# Altium PCB RGV_Control_1V21_unpoly.PcbDoc (part 4 of 5) (continued)
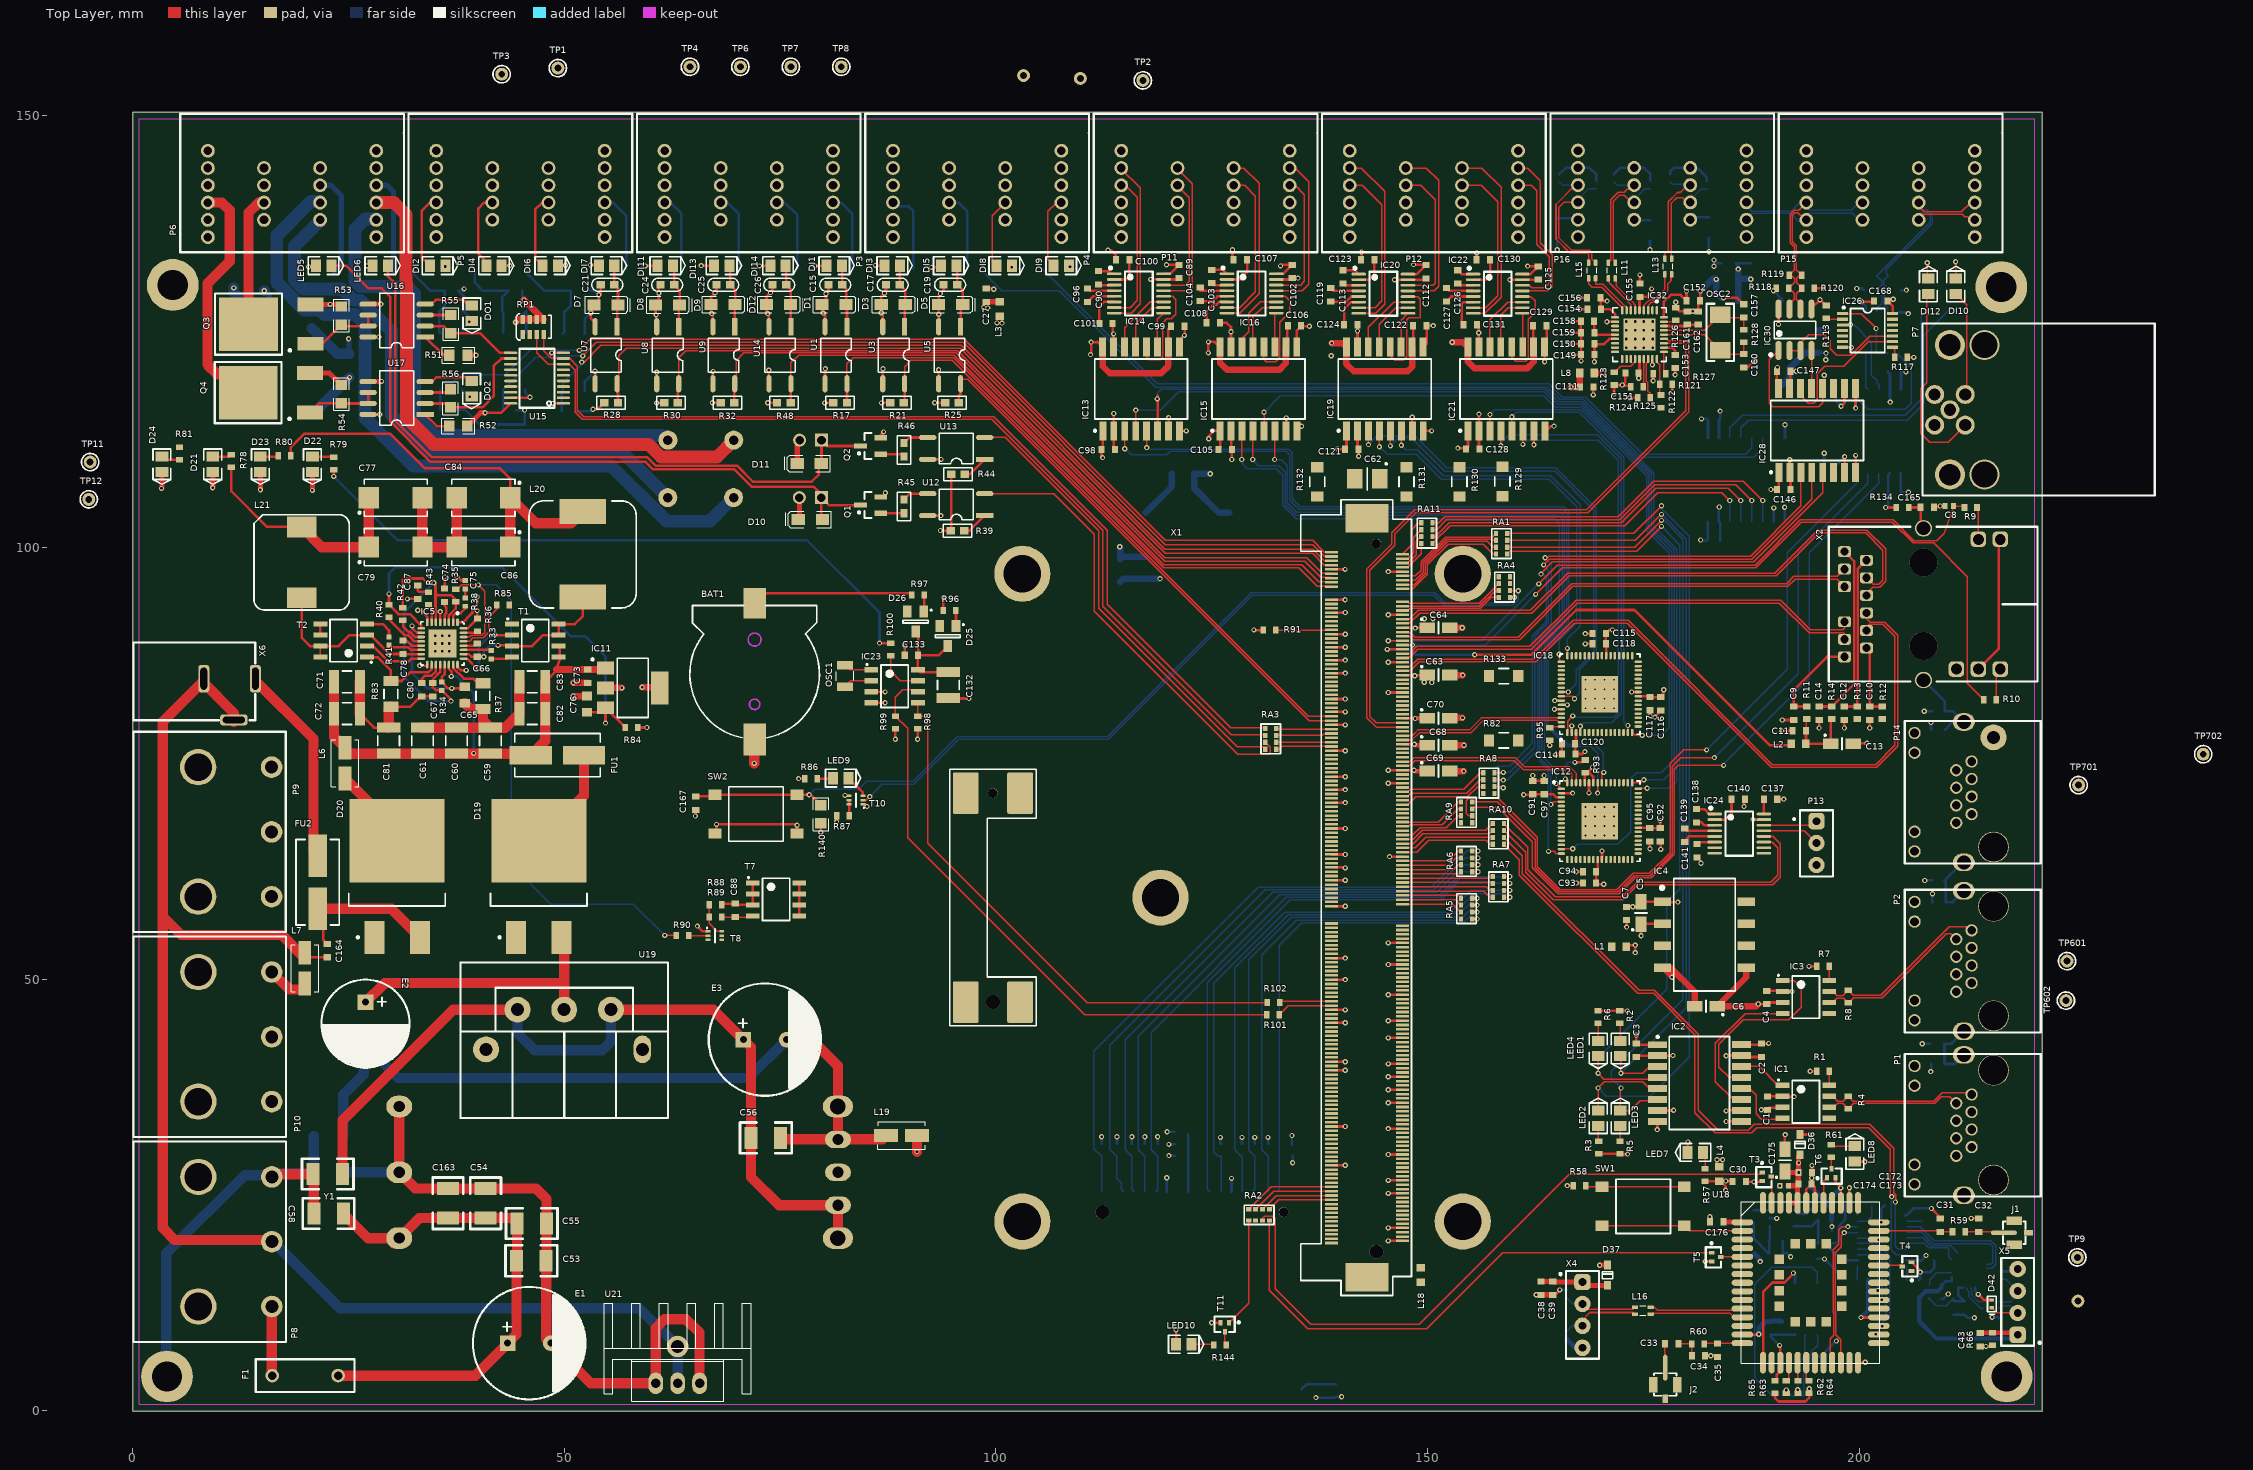
[diagram p0: Top Layer view]
## Nets (pads, with @x,y where several pads share a name; then routed paths per layer and width w, separated by ;. In a path a pad name is that pad's centre, name@x,y a point inside that pad or via, vN(x,y) a via of type N, cw(c..) or ccw(c..) an arc to the next point about the centre after c; other vN are vias at no path point) (continued)
NetIC12_9: IC12.9
NetIC12_10: IC12.10
NetIC12_11: IC12.11
NetIC12_12: IC12.12
NetIC12_13: IC12.13
NetIC12_14: IC12.14
NetIC12_15: IC12.15 IC15.5 | length 106.3
  Top Layer w0.15: IC15.5@131.049,113.489 v1(131.049,115.649) ; IC12.15@165.476,65.051 165.526,65.051 165.575,65.1 v1(166.802,65.1)
  Bottom Layer w0.15: v1(131.049,115.649) 132.95,117.55 163.45,117.55 164.75,116.25 167.825,116.25 175.6,108.475 175.6,102.15 178.25,99.5 178.25,75.125 177.05,73.925 174.193,73.925 173.525,73.257 173.525,67.099 172.034,65.608 167.31,65.608 v1(166.802,65.1)
NetIC12_16: IC12.16 IC15.3 | length 86.5
  Top Layer w0.15: v1@128.473,110.388 128.473,113.453 IC15.3@128.509,113.489 ; v1@164.059,64.795 164.627,64.795 164.871,64.551 IC12.16@165.476,64.551
  Bottom Layer w0.15: v1@128.473,110.388 v1(128.473,110.175) 128.473,109.777 129.125,109.125 132.45,109.125 133.2,108.375 133.2,104.875 134.75,103.325 154.575,103.325 154.625,103.375 164.7,103.375 165.25,102.825 165.25,91.7 162.975,89.425 162.975,76.675 162.975,75.256 163.949,74.281 163.949,70.59 163.788,70.428 163.788,70.034 163.982,69.839 v1(163.982,64.795)
NetIC12_17: IC12.17
NetIC12_18: IC12.18
NetIC12_19: IC12.19
NetIC12_20: IC12.20
NetIC12_21: IC12.21
NetIC12_22: IC12.22
NetIC12_23: IC12.23
NetIC12_26: IC12.26
NetIC12_27: IC12.27
NetIC12_28: IC12.28
NetIC12_29: IC12.29
NetIC12_30: IC12.30
NetIC12_31: IC12.31
NetIC12_32: IC12.32
NetIC12_33: IC12.33
NetIC12_34: IC12.34
NetIC12_35: IC12.35
NetIC12_36: IC12.36
NetIC12_37: IC12.37
NetIC12_38: IC12.38
NetIC12_40: IC12.40
NetIC12_41: IC12.41
NetIC12_42: IC12.42
NetIC12_43: IC12.43
NetIC12_44: IC12.44
NetIC12_45: IC12.45
NetIC12_46: IC12.46
NetIC12_47: IC12.47
NetIC12_48: IC12.48 IC13.6 | length 108.4
  Top Layer w0.15: IC12.48@174.376,72.051 174.443,71.984 174.57,72.111 v1(175.4,72.111)
  Top Layer w0.3: v1(118.675,117.2) 118.675,117.487 118.73,117.541 IC13.6@118.73,113.489
  Bottom Layer w0.15: v1(118.675,117.2) 118.675,117.825 119.15,118.3 163.675,118.3 165.1,116.875 167.907,116.875 176.2,108.582 176.2,102.425 178.85,99.775 178.85,72.925 178.036,72.111 v1(175.4,72.111)
NetIC12_49: IC12.49 IC13.4 | length 107.8
  Top Layer w0.15: IC13.4@116.19,113.489 v1(116.19,115.893) ; IC12.49@173.676,72.751 174.682,72.751 v1(175.031,73.1)
  Bottom Layer w0.15: v1(116.19,115.893) 119.018,115.893 121.175,118.05 163.5,118.05 164.975,116.575 167.854,116.575 175.9,108.529 175.9,102.275 178.525,99.65 178.525,74.275 177.35,73.1 v1(175.031,73.1)
NetIC12_50: IC12.50
NetIC12_51: IC12.51
NetIC12_52: IC12.52
NetIC12_53: IC12.53
NetIC12_54: IC12.54
NetIC12_55: IC12.55
NetIC12_56: IC12.56 IC13.5 | length 94.1
  Top Layer w0.15: IC13.5@117.46,113.489 117.475,113.473 v1(117.475,111.55) ; IC12.56@170.176,72.751 170.176,73.751 v1(170.375,73.95)
  Bottom Layer w0.15: v1(117.475,111.55) 117.671,111.354 133.934,111.354 134.315,110.973 134.315,105.635 135.225,104.725 165.775,104.725 166.325,104.175 166.325,90.8 163.975,88.45 163.975,79.431 166.194,77.212 169.313,77.212 170.3,76.225 170.3,73.875 v1(170.375,73.95)
NetIC12_57: IC12.57 IC13.3 | length 98.4
  Top Layer w0.15: v1(114.92,111.424) IC13.3@114.92,113.489 ; v1(169.676,71.55) IC12.57@169.676,72.751
  Bottom Layer w0.15: v1(114.92,111.424) 115.644,110.7 119.791,110.7 120.195,111.104 133.6,111.104 134,110.704 134,105.44 135.04,104.4 165.625,104.4 166.075,103.95 166.075,91.05 163.725,88.7 163.725,79.327 166.091,76.962 168.888,76.962 169.676,76.174 v1(169.676,71.55)
NetIC12_61: IC12.61
NetIC12_64: IC12.64 R93.1 | length 4.7
  Top Layer w0.3: v1(165.938,73.196) 165.938,72.988 IC12.64@166.176,72.751 ; v1(167.05,75.1) 167.771,75.1 R93.1@168.199,75.528
  Bottom Layer w0.15: v1(165.938,73.196) 165.938,74.738 166.3,75.1 v1(167.05,75.1)
NetIC13_11: IC13.11 IC14.9 | length 4.2
  Top Layer w0.15: IC13.11@118.71,123.189 118.71,126.426 IC14.9@119.408,127.124
NetIC13_12: IC13.12 IC14.12 | length 12.4
  Top Layer w0.15: IC13.12@117.44,123.189 117.44,122.085 117.775,121.75 119.018,121.75 119.325,122.057 119.325,125.975 119.8,126.45 120.3,126.45 120.825,126.975 120.825,128.7 120.451,129.074 IC14.12@119.408,129.074
NetIC13_13: IC13.13 IC14.10 | length 6.7
  Top Layer w0.15: IC13.13@116.17,123.189 116.17,125.895 118.049,127.774 IC14.10@119.408,127.774
NetIC13_14: IC13.14 IC14.11 | length 8
  Top Layer w0.15: IC13.14@114.9,123.189 114.9,125.45 117.874,128.424 IC14.11@119.408,128.424
NetIC15_11: IC15.11 IC16.9 | length 4
  Top Layer w0.15: IC15.11@132.299,123.189 132.299,126.967 IC16.9@132.455,127.123
NetIC15_12: IC15.12 IC16.12 | length 12.4
  Top Layer w0.15: IC15.12@131.029,123.189 131.029,121.771 131.276,121.524 132.382,121.524 132.874,122.016 132.874,126.086 134.025,127.237 134.025,128.555 133.507,129.073 IC16.12@132.455,129.073
NetIC15_13: IC15.13 IC16.10 | length 6.7
  Top Layer w0.15: IC15.13@129.759,123.189 129.759,126.709 130.823,127.773 IC16.10@132.455,127.773
NetIC15_14: IC15.14 IC16.11 | length 8
  Top Layer w0.15: IC15.14@128.489,123.189 128.489,124.172 129.3,124.983 129.3,127.125 130.598,128.423 IC16.11@132.455,128.423
NetIC17_3: IC17.3
NetIC17_6: IC17.6
NetIC17_7: IC17.7
NetIC17_8: IC17.8
NetIC18_1: IC18.1 IC21.6 | length 50.9
  Top Layer w0.15: v1(161.021,111.922) IC21.6@161.021,113.489 ; IC18.1@166.176,78.557 166.182,78.551 166.201,78.57 166.201,79.894 v1(166.8,80.493)
  Bottom Layer w0.15: v1(161.021,111.922) 161.523,112.425 169.769,112.425 172.085,110.109 172.085,80.823 171.577,80.315 166.978,80.315 v1(166.8,80.493)
NetIC18_4: IC18.4 IC21.4 | length 53.1
  Top Layer w0.15: v1(158.481,111.775) IC21.4@158.481,113.489 ; IC18.4@167.676,78.557 v1(167.676,79.298)
  Bottom Layer w0.15: v1(158.481,111.775) 158.481,112.081 159.45,113.05 169.648,113.05 172.425,110.273 172.425,80.809 171.322,79.706 168.084,79.706 v1(167.676,79.298)
NetIC18_5: IC18.5
NetIC18_6: IC18.6
NetIC18_7: IC18.7
NetIC18_8: IC18.8
NetIC18_9: IC18.9
NetIC18_10: IC18.10
NetIC18_11: IC18.11
NetIC18_12: IC18.12
NetIC18_13: IC18.13
NetIC18_14: IC18.14
NetIC18_15: IC18.15 IC21.5 | length 49
  Top Layer w0.15: IC21.5@159.751,113.489 v1(159.751,115.118) ; IC18.15@173.176,78.557 v1(173.176,79.375)
  Bottom Layer w0.15: v1(159.751,115.118) 160.257,115.625 167.525,115.625 172.72,110.43 172.72,79.831 v1(173.176,79.375)
NetIC18_16: IC18.16 IC21.3 | length 58.5
  Top Layer w0.15: IC21.3@157.211,113.489 v1(157.211,115.39) ; IC18.16@173.676,78.557 174.008,78.225 v1(174.85,78.225)
  Bottom Layer w0.15: v1(157.211,115.39) 157.771,115.95 167.7,115.95 175.35,108.3 175.35,101.925 177.95,99.325 177.95,79.15 177.025,78.225 v1(174.85,78.225)
NetIC18_17: IC18.17
NetIC18_18: IC18.18
NetIC18_19: IC18.19
NetIC18_20: IC18.20
NetIC18_21: IC18.21
NetIC18_22: IC18.22
NetIC18_23: IC18.23
NetIC18_26: IC18.26
NetIC18_27: IC18.27
NetIC18_28: IC18.28
NetIC18_29: IC18.29
NetIC18_30: IC18.30
NetIC18_31: IC18.31
NetIC18_32: IC18.32
NetIC18_33: IC18.33
NetIC18_34: IC18.34
NetIC18_35: IC18.35
NetIC18_36: IC18.36
NetIC18_37: IC18.37
NetIC18_38: IC18.38
NetIC18_40: IC18.40
NetIC18_41: IC18.41
NetIC18_42: IC18.42
NetIC18_43: IC18.43
NetIC18_44: IC18.44
NetIC18_45: IC18.45
NetIC18_46: IC18.46
NetIC18_47: IC18.47
NetIC18_48: IC18.48 IC19.6 | length 43.3
  Top Layer w0.15: v1(146.949,111.826) IC19.6@146.949,113.489 ; v1(166.175,88.3) 166.175,87.458 IC18.48@166.176,87.457
  Bottom Layer w0.15: v1(146.949,111.826) 147.475,111.3 148.8,111.3 151.8,108.3 164.275,108.3 167.65,104.925 167.65,90.875 166.175,89.4 v1(166.175,88.3)
NetIC18_49: IC18.49 IC19.4 | length 46.5
  Top Layer w0.15: v1(144.409,111.659) IC19.4@144.409,113.489 ; v1(165.225,87.625) 165.225,87.008 IC18.49@165.476,86.757
  Bottom Layer w0.15: v1(144.409,111.659) 145.289,110.779 148.671,110.779 151.55,107.9 164.1,107.9 167.275,104.725 167.275,91.275 165.225,89.225 v1(165.225,87.625)
NetIC18_50: IC18.50
NetIC18_51: IC18.51
NetIC18_52: IC18.52
NetIC18_53: IC18.53
NetIC18_54: IC18.54
NetIC18_55: IC18.55
NetIC18_56: IC18.56 IC19.5 | length 52.2
  Top Layer w0.15: v1(145.679,111.754) IC19.5@145.679,113.489 ; IC18.56@165.476,83.257 v1(166.282,83.257)
  Bottom Layer w0.15: v1(145.679,111.754) 146.55,112.625 148.129,112.625 151.954,108.8 164.775,108.8 169.25,104.325 169.25,87.9 167.208,85.858 167.208,84.183 v1(166.282,83.257)
NetIC18_57: IC18.57 IC19.3 | length 56.6
  Top Layer w0.15: v1(143.139,111.895) IC19.3@143.139,113.489 ; IC18.57@165.476,82.757 166.718,82.757 v1(167,82.475)
  Bottom Layer w0.15: v1(143.139,111.895) 144.119,112.875 148.569,112.875 152.219,109.225 164.825,109.225 169.5,104.55 169.5,87.796 167.525,85.821 167.525,83.075 167,82.55 v1(167,82.475)
NetIC18_61: IC18.61
NetIC18_64: IC18.64 R95.1 | length 1.4
  Top Layer w0.15: R95.1@164.15,79.125 164.282,79.257 IC18.64@165.476,79.257
NetIC19_11: IC19.11 IC20.9 | length 4.2
  Top Layer w0.15: IC19.11@146.929,123.189 146.929,126.313 IC20.9@147.715,127.098
NetIC19_12: IC19.12 IC20.12 | length 12.9
  Top Layer w0.15: IC19.12@145.659,123.189 145.659,122.2 146.184,121.675 147.163,121.675 147.575,122.087 147.575,126.341 147.809,126.575 149.05,126.575 149.15,126.675 149.15,128.725 148.827,129.048 IC20.12@147.715,129.048
NetIC19_13: IC19.13 IC20.10 | length 6.8
  Top Layer w0.15: IC19.13@144.389,123.189 144.389,125.82 146.317,127.748 IC20.10@147.715,127.748
NetIC19_14: IC19.14 IC20.11 | length 8.1
  Top Layer w0.15: IC19.14@143.119,123.189 143.119,125.476 146.041,128.398 IC20.11@147.715,128.398
NetIC21_11: IC21.11 IC22.9 | length 3.9
  Top Layer w0.15: IC22.9@160.965,127.098 161.001,127.063 IC21.11@161.001,123.189
NetIC21_12: IC21.12 IC22.12 | length 12.1
  Top Layer w0.15: IC21.12@159.731,123.189 159.731,122.044 160.195,121.58 161.355,121.58 161.625,121.85 161.625,126.4 162.425,127.2 162.425,128.575 161.952,129.048 IC22.12@160.965,129.048
NetIC21_13: IC21.13 IC22.10 | length 6.5
  Top Layer w0.15: IC21.13@158.461,123.189 158.461,126.861 159.348,127.748 IC22.10@160.965,127.748
NetIC21_14: IC21.14 IC22.11 | length 7.8
  Top Layer w0.15: IC21.14@157.191,123.189 157.191,126.341 159.248,128.398 IC22.11@160.965,128.398
NetIC23_1: IC23.1 OSC1.2 | length 3.3
  Top Layer w0.15: OSC1.2@82.525,86.365 83.063,85.827 IC23.1@85.565,85.827
NetIC23_2: IC23.2 OSC1.1 | length 3.3
  Top Layer w0.15: OSC1.1@82.525,83.865 83.216,84.557 IC23.2@85.565,84.557
NetIC23_7: IC23.7 R100.1 | length 5.4
  Top Layer w0.15: R100.1@87.808,87.464 87.808,85.69 88.941,84.557 IC23.7@90.965,84.557
NetIC24_7: IC24.7
NetIC24_8: IC24.8
NetIC24_9: IC24.9
NetIC24_10: IC24.10
NetIC25_6: IC25.6
NetIC25_11: IC25.11
NetIC25_12: IC25.12 IC27.1 | length 14.4
  Bottom Layer w0.15: IC25.12@199.72,118.288 199.72,117.23 200.95,116 205.3,116 206,116.7 206,120.8 204.535,122.265 IC27.1@204.535,122.4
NetIC25_13: IC25.13 IC27.4 | length 4.2
  Bottom Layer w0.15: IC27.4@200.725,122.4 200.725,118.553 IC25.13@200.99,118.288
NetIC25_14: IC25.14 IC26.3 | length 10
  Top Layer w0.15: IC26.3@198.039,125.77 198.96,125.77 v1(198.975,125.785)
  Bottom Layer w0.15: v1(198.975,125.785) 199.365,125.785 201.375,123.775 201.375,119.95 202.05,119.275 202.05,119.025 202.26,118.815 IC25.14@202.26,118.288
NetIC26_1: IC26.1 IC27.2 IC27.3 | length 8.8
  Top Layer w0.15: IC26.1@198.039,127.07 200.205,127.07 v1(201.925,125.35)
  Bottom Layer w0.15: v1(201.925,125.35) 201.925,122.624 202.082,122.466 IC27.2@203.352,122.466
NetIC26_2: IC26.2 R113.1 | length 1.9
  Top Layer w0.15: R113.1@196.164,126.554 196.298,126.42 IC26.2@198.039,126.42
NetIC26_8: IC26.8 R117.1 | length 1.3
  Top Layer w0.15: IC26.8@203.839,123.17 204.1,122.91 R117.1@204.1,122
NetIC26_9: IC26.9 IC28.14 | length 16.6
  Top Layer w0.15: IC28.14@193.182,118.388 193.182,117.568 194.05,116.7 194.7,116.7 195.1,117.1 195.1,120.125 195.975,121 198.175,121 200.995,123.82 IC26.9@203.839,123.82
NetIC26_10: IC26.10 IC30.2 IC30.3 | length 15.6
  Top Layer w0.15: IC30.2@191.897,122.797 IC30.3@193.167,122.797 193.167,123.617 194.15,124.6 195.906,124.6 196.6,123.906 196.6,123 197.35,122.25 198.975,122.25 201.195,124.47 IC26.10@203.839,124.47
NetIC28_6: IC28.6
NetIC28_11: IC28.11
NetIC28_12: IC28.12 IC30.1 | length 14.7
  Top Layer w0.15: IC30.1@190.627,122.797 189.575,121.745 189.575,116.704 189.979,116.3 195.3,116.3 195.722,116.722 IC28.12@195.722,118.388
NetIC28_13: IC28.13 IC30.4 | length 4.4
  Top Layer w0.15: IC30.4@194.437,122.797 194.452,122.781 IC28.13@194.452,118.388
NetIC31_3: IC31.3
NetIC31_6: IC31.6
NetIC31_7: IC31.7
NetIC31_8: IC31.8
NetIC32_1: IC32.1
NetIC32_2: IC32.2
NetIC32_12: IC32.12
NetIC32_13: IC32.13
NetIC32_16: IC32.16
NetIC32_17: IC32.17
NetIC32_18: IC32.18
NetIC32_19: IC32.19
NetIC32_20: IC32.20
NetIC32_21: IC32.21
NetIC32_22: IC32.22 R123.1 | length 3.2
  Top Layer w0.15: R123.1@171.602,120.257 172.345,121 173.498,121 174.025,121.527 IC32.22@174.025,121.811
NetIC32_24: IC32.24 R124.1 | length 3.1
  Top Layer w0.15: R124.1@174.969,118.72 175.025,118.775 IC32.24@175.025,121.811
NetIC32_25: IC32.25 R125.1 | length 4.8
  Top Layer w0.15: IC32.25@175.525,121.811 175.525,121.527 175.325,121.327 175.325,119.247 175.475,119.097 175.475,118.103 175.756,117.821 R125.1@175.756,117.323
NetIC32_28: IC32.28 R127.2 | length 2.6
  Top Layer w0.15: IC32.28@177.35,122.636 177.35,120.325 R127.2@177.55,120.125
NetIC32_35: IC32.35 R126.2 | length 1.5
  Top Layer w0.15: IC32.35@177.35,126.136 178.576,126.136 R126.2@178.74,126.3
NetLED1_A: LED1.A R2.1 | length 2
  Top Layer w0.15: R2.1@172.25,44.875 172.3,44.825 LED1.A@172.3,42.865
NetLED2_A: LED2.A R3.1 | length 1.8
  Top Layer w0.15: LED2.A@169.75,33.01 169.75,31.3 R3.1@169.8,31.25
NetLED3_A: LED3.A R5.2 | length 1.8
  Top Layer w0.15: R5.2@172.275,31.225 172.3,31.25 LED3.A@172.3,33.01
NetLED4_A: LED4.A R6.2 | length 2
  Top Layer w0.15: R6.2@169.725,44.875 169.75,44.85 LED4.A@169.75,42.865
NetLED5_A: LED5.A R49.2 | length 0.9
  Top Layer w0.3: v1(20.4,132.475) 20.55,132.625 LED5.A@21.259,132.625
NetLED6_A: LED6.A R50.2 | length 0.7
  Top Layer w0.3: v1(27.125,132.6) 27.15,132.625 LED6.A@27.83,132.625
NetLED7_A: LED7.A R57.2 | length 2
  Top Layer w0.15: LED7.A@181.89,29.942 182.118,29.714 R57.2@182.118,28.055
NetLED8_K: LED8.K R61.2 | length 2.8
  Top Layer w0.15: R61.2@196.723,30.808 196.872,30.659 LED8.K@199.466,30.659
NetLED9_A: LED9.A R86.1 | length 1.9
  Top Layer w0.3: R86.1@79.296,73.226 81.085,73.226 LED9.A@81.135,73.277
NetLED9_K: LED9.K T10.3 | length 2.7
  Top Layer w0.3: LED9.K@82.915,73.277 84.585,71.607 T10.3@84.585,71.237
NetLED10_K: LED10.K R144.2 | length 2.6
  Top Layer w0.15: LED10.K@122.65,7.725 125.163,7.725 R144.2@125.239,7.649
NETLIGHT: T6.1 U18.47 | length 3.1
  Top Layer w0.15: U18.47@195.835,24.1 195.835,26.613 T6.1@196.231,27.01
NetP1_3: P1.3
NetP1_4: P1.4
NetP1_5: P1.5
NetP1_6: P1.6
NetP1_7: P1.7
NetP1_8: P1.8
NetP2_3: P2.3
NetP2_4: P2.4
NetP2_5: P2.5
NetP2_6: P2.6
NetP2_7: P2.7
NetP2_8: P2.8
NetP3_1: P3.1
NetP3_5: P3.5
NetP3_9: P3.9
NetP3_13: P3.13
NetP4_1: P4.1
NetP4_5: P4.5
NetP4_9: P4.9
NetP4_13: P4.13
NetP5_1: P5.1
NetP5_5: P5.5
NetP5_9: P5.9
NetP5_13: P5.13
NetP9_2: P9.2
NetP10_2: P10.2
NetP14_3: P14.3
NetP14_6: P14.6
NetP14_7: P14.7
NetP14_8: P14.8
NetQ1_3: Q1.3 R45.1 | length 2.7
  Top Layer w0.3: Q1.3@86.671,103.952 86.682,103.962 R45.1@89.357,103.962
NetQ2_3: Q2.3 R46.1 | length 2.8
  Top Layer w0.3: Q2.3@86.671,110.785 89.088,110.785 R46.1@89.357,110.515
NetQ3_1: Q3.1 R53.2 U16.6 U16.7 | length 8.9
  Top Layer w0.3: Q3.1@20.633,123.572 21.981,123.572 R53.2@24.206,125.798 24.375,125.628 U16.7@27.307,125.628 U16.6@27.307,126.898
NetQ4_1: Q4.1 R54.2 U17.6 U17.7 | length 8.4
  Top Layer w0.3: Q4.1@20.591,115.637 21.658,116.704 R54.2@24.206,116.704 24.248,116.662 U17.7@27.307,116.662 U17.6@27.307,117.932
NetR33_2: R33.2 T1.4 | length 2.3
  Top Layer w0.3: R33.2@41.366,87.125 43.444,87.125 T1.4@43.619,87.3
NetR39_2: R39.2 U12.1 | length 3.1
  Top Layer w0.3: R39.2@96.342,101.93 96.95,101.93 U12.1@98.702,103.683
NetR41_2: R41.2 T2.4 | length 3.6
  Top Layer w0.3: T2.4@27.175,91.11 29.006,91.11 29.718,90.399 R41.2@29.718,89.634
NetR44_2: R44.2 U13.1 | length 3
  Top Layer w0.3: R44.2@96.387,108.475 96.992,108.475 U13.1@98.702,110.185
NetR45_2: R45.2 U12.3 | length 3
  Top Layer w0.3: R45.2@89.357,105.537 90.043,106.223 U12.3@92.102,106.223
NetR46_2: R46.2 U13.3 | length 3
  Top Layer w0.3: R46.2@89.357,112.09 89.992,112.725 U13.3@92.102,112.725
NetR51_2: R51.2 U16.1 | length 3.7
  Top Layer w0.3: U16.1@33.907,124.358 36.015,122.25 R51.2@36.72,122.25
NetR52_2: R52.2 U17.1 | length 3.3
  Top Layer w0.3: U17.1@33.907,115.392 35.253,114.046 R52.2@36.694,114.046
NetR55_1: R55.1 U16.3 | length 3
  Top Layer w0.3: U16.3@33.907,126.898 33.916,126.907 R55.1@36.881,126.907
NetR56_1: R56.1 U17.3 | length 3.1
  Top Layer w0.3: U17.3@33.907,117.932 36.44,117.932 R56.1@36.83,118.322
NetR58_2: R58.2 SW1.3 SW1.4 | length 11.5
  Top Layer w0.15: R58.2@168.289,26.086 168.426,25.948 SW1.3@170.205,25.948 SW1.4@179.705,25.948
NetR61_1: R61.1 T6.3 | length 1.3
  Top Layer w0.15: R61.1@196.723,29.358 196.723,28.068 T6.3@196.731,28.06
NetR62_2: R62.2 U18.20 | length 2.1
  Top Layer w0.15: U18.20@192.835,5.6 192.835,3.538 R62.2@192.879,3.494
NetR63_2: R63.2 U18.19 | length 2.2
  Top Layer w0.15: R63.2@191.524,3.494 191.835,3.804 U18.19@191.835,5.6
NetR64_2: R64.2 U18.21 | length 2.2
  Top Layer w0.15: U18.21@193.835,5.6 193.835,3.816 R64.2@194.158,3.494
NetR122_1: R122.1 X1.84
NetR144_1: R144.1 T11.3 | length 1.6
  Top Layer w0.15: T11.3@126.517,9.164 126.517,7.821 R144.1@126.689,7.649
NetRA2_1: RA2.1 X1.301 | length 7.6
  Top Layer w0.15: RA2.1@131.675,23.35 132.771,24.446 X1.301@138.862,24.446
NetRA2_2: RA2.2 X1.299 | length 8.6
  Top Layer w0.15: RA2.2@130.875,23.35 132.471,24.946 X1.299@138.862,24.946
NetRA2_3: RA2.3 X1.297 | length 9.7
  Top Layer w0.15: RA2.3@130.075,23.35 132.171,25.446 X1.297@138.862,25.446
NetRA2_4: RA2.4 X1.295 | length 10.7
  Top Layer w0.15: RA2.4@129.275,23.35 131.871,25.946 X1.295@138.862,25.946
NetRA3_1: RA3.1 X1.91 | length 6.5
  Top Layer w0.15: RA3.1@132.475,76.625 132.8,76.625 133.121,76.946 X1.91@138.862,76.946
NetRA3_2: RA3.2 X1.89 | length 6.4
  Top Layer w0.15: RA3.2@132.475,77.425 132.8,77.425 132.821,77.446 X1.89@138.862,77.446
NetRA3_3: RA3.3 X1.85 | length 6.5
  Top Layer w0.15: RA3.3@132.475,78.225 137.816,78.225 138.037,78.446 X1.85@138.862,78.446
NetRA3_4: RA3.4 X1.83 | length 6.4
  Top Layer w0.15: RA3.4@132.475,79.025 132.8,79.025 132.879,78.946 X1.83@138.862,78.946
NetRA4_1: RA4.1
NetRA4_5: RA4.5
NetRA5_4: RA5.4
NetRA5_8: RA5.8 | length 0.6
  Top Layer w0.15: RA5.8@155.148,56.972 v1(155.725,56.972)
NetRA8_1: RA8.1 X1.112 | length 10.3
  Top Layer w0.15: X1.112@147.062,71.696 147.709,71.696 148.013,72 154.2,72 156.1,73.9 RA8.1@156.425,73.9
NetRA8_2: RA8.2 X1.114 | length 10.2
  Top Layer w0.15: X1.114@147.062,71.196 147.715,71.196 148.065,71.546 154.546,71.546 156.1,73.1 RA8.2@156.425,73.1
NetRA8_3: RA8.3 X1.118 | length 10.2
  Top Layer w0.15: X1.118@147.062,70.196 147.709,70.196 147.987,70.474 147.987,70.475 148.637,71.125 154.599,71.125 155.774,72.3 RA8.3@156.425,72.3
NetRA8_4: RA8.4
NetRA8_8: RA8.8
NetRA9_1: RA9.1 X1.126 | length 7.7
  Top Layer w0.15: X1.126@147.062,68.196 151.196,68.196 153.523,70.523 RA9.1@153.848,70.523
NetRA9_2: RA9.2 X1.128 | length 7.6
  Top Layer w0.15: X1.128@147.062,67.696 147.8,67.696 147.979,67.875 151.675,67.875 153.523,69.723 RA9.2@153.848,69.723
NetRA9_3: RA9.3 X1.132 | length 7.7
  Top Layer w0.15: X1.132@147.062,66.696 148.267,66.696 149.108,67.536 152.136,67.536 153.523,68.923 RA9.3@153.848,68.923
NetRA9_4: RA9.4
NetRA9_8: RA9.8
NetRA10_1: RA10.1 X1.134 | length 11.2
  Top Layer w0.15: X1.134@147.062,66.196 148.338,66.196 149.363,67.221 156.731,67.221 RA10.1@157.531,68.021
NetRA10_2: RA10.2 X1.136 | length 11.1
  Top Layer w0.15: X1.136@147.062,65.696 148.328,65.696 149.454,66.821 157.131,66.821 RA10.2@157.531,67.221
NetRA10_3: RA10.3 X1.138 | length 11
  Top Layer w0.15: X1.138@147.062,65.196 148.535,65.196 149.76,66.421 RA10.3@157.531,66.421
NetRA10_4: RA10.4 X1.140 | length 11.2
  Top Layer w0.15: X1.140@147.062,64.696 148.742,64.696 150.121,66.075 156.752,66.075 157.206,65.621 RA10.4@157.531,65.621
NetRA11_1: RA11.1 X1.2 | length 4.7
  Top Layer w0.15: X1.2@147.062,99.196 148.15,100.284 148.15,102.054 148.871,102.775 149.175,102.775 RA11.1@149.25,102.85
NetRA11_2: RA11.2 X1.4 | length 4.6
  Top Layer w0.15: X1.4@147.062,98.696 147.709,98.696 148.4,99.387 148.4,101.198 149.252,102.05 RA11.2@149.25,102.05
NetRA11_3: RA11.3 X1.6 | length 4.3
  Top Layer w0.15: X1.6@147.062,98.196 147.709,98.196 148.675,99.162 148.675,100.673 148.927,100.925 148.927,100.928 RA11.3@149.25,101.25
NetRA11_4: RA11.4 X1.8 | length 4
  Top Layer w0.15: X1.8@147.062,97.696 147.709,97.696 149.25,99.237 RA11.4@149.25,100.45
NetRP1_7: RP1.7 U15.7
NetRP1_8: RP1.8 U15.6
NetSW1_1: SW1.1 SW1.2 U18.2 | length 16.5
  Top Layer w0.15: SW1.1@170.205,21.448 SW1.2@179.705,21.448 180.304,20.85 U18.2@186.435,20.85
NetT8_3: T8.3
NetT8_4: T8.4
NetT8_5: T8.5
NetTP2_1: TP2.1 X7.1
NetU15_2: U15.2
NetU15_3: U15.3
NetU15_4: U15.4
NetU15_5: U15.5
NetU15_13: U15.13
NetU15_14: U15.14
NetU15_15: U15.15
NetU15_16: U15.16
NetU15_17: U15.17
NetU15_18: U15.18
NetU18_3: U18.3
NetU18_4: U18.4
NetU18_6: U18.6
NetU18_7: U18.7
NetU18_8: U18.8
NetU18_9: U18.9
NetU18_10: U18.10
NetU18_13: U18.13
NetU18_16: U18.16 X3.1 | length 13.9
  Top Layer w0.3: U18.16@188.835,5.6 188.875,5.64 188.875,13.825 189.925,14.875 191.314,14.875 192.35,15.911 v1(192.35,15.975)
  Bottom Layer w0.3: v1(192.35,15.975) 192.532,15.793 X3.1@192.532,14.834
NetU18_17: U18.17
NetU18_22: U18.22
NetU18_23: U18.23
NetU18_26: U18.26
NetU18_28: U18.28
NetU18_32: U18.32
NetU18_35: U18.35
NetU18_36: U18.36
NetU18_38: U18.38
NetU18_39: U18.39
NetU18_43: U18.43
NetU18_46: U18.46
NetU18_52: U18.52
NetU18_54: U18.54
NetU18_55: U18.55
NetU18_56: U18.56
NetU18_57: U18.57
NetU18_58: U18.58
NetU18_59: U18.59
NetU18_60: U18.60
NetU18_61: U18.61
NetU18_62: U18.62
NetU18_63: U18.63
NetU18_64: U18.64
NetU18_65: U18.65
NetU18_66: U18.66
NetU18_67: U18.67
NetU18_68: U18.68
NetU20_6: U20.6
NetX1_25: X1.25
NetX1_27: X1.27
NetX1_31: X1.31
NetX1_33: X1.33
NetX1_35: X1.35
NetX1_41: X1.41
NetX1_43: X1.43
NetX1_47: X1.47
NetX1_49: X1.49
NetX1_53: X1.53
NetX1_55: X1.55
NetX1_59: X1.59
NetX1_60: X1.60
NetX1_61: X1.61
NetX1_62: X1.62
NetX1_63: X1.63
NetX1_64: X1.64
NetX1_65: X1.65
NetX1_67: X1.67
NetX1_68: X1.68
NetX1_70: X1.70
NetX1_71: X1.71
NetX1_72: X1.72
NetX1_73: X1.73
NetX1_74: X1.74
NetX1_76: X1.76
NetX1_87: X1.87
NetX1_92: X1.92
NetX1_94: X1.94
NetX1_95: X1.95
NetX1_96: X1.96
NetX1_97: X1.97
NetX1_99: X1.99
NetX1_101: X1.101
NetX1_103: X1.103
NetX1_104: X1.104
NetX1_106: X1.106
NetX1_107: X1.107
NetX1_109: X1.109
NetX1_110: X1.110
NetX1_113: X1.113
NetX1_115: X1.115
NetX1_116: X1.116
NetX1_119: X1.119
NetX1_120: X1.120
NetX1_121: X1.121
NetX1_122: X1.122
NetX1_123: X1.123
NetX1_124: X1.124
NetX1_125: X1.125
NetX1_127: X1.127
NetX1_130: X1.130
NetX1_131: X1.131
NetX1_133: X1.133
NetX1_135: X1.135
NetX1_137: X1.137
NetX1_139: X1.139
NetX1_143: X1.143
NetX1_145: X1.145
NetX1_149: X1.149
NetX1_151: X1.151
NetX1_155: X1.155
NetX1_157: X1.157
NetX1_159: X1.159
NetX1_161: X1.161
NetX1_163: X1.163
NetX1_173: X1.173
NetX1_174: X1.174
NetX1_175: X1.175
NetX1_176: X1.176
NetX1_177: X1.177
NetX1_178: X1.178
NetX1_179: X1.179
NetX1_180: X1.180
NetX1_181: X1.181
NetX1_183: X1.183
NetX1_184: X1.184
NetX1_185: X1.185
NetX1_186: X1.186
NetX1_187: X1.187
NetX1_188: X1.188
NetX1_190: X1.190
NetX1_191: X1.191
NetX1_193: X1.193
NetX1_194: X1.194
NetX1_195: X1.195
NetX1_196: X1.196
NetX1_197: X1.197
NetX1_198: X1.198
NetX1_200: X1.200
NetX1_201: X1.201
NetX1_202: X1.202
NetX1_203: X1.203
NetX1_204: X1.204
NetX1_205: X1.205
NetX1_207: X1.207
NetX1_208: X1.208
NetX1_210: X1.210
NetX1_212: X1.212
NetX1_214: X1.214
NetX1_215: X1.215
NetX1_216: X1.216
NetX1_217: X1.217
NetX1_220: X1.220
NetX1_221: X1.221
NetX1_222: X1.222
NetX1_223: X1.223
NetX1_224: X1.224
NetX1_225: X1.225
NetX1_227: X1.227
NetX1_228: X1.228
NetX1_229: X1.229
NetX1_230: X1.230
NetX1_231: X1.231
NetX1_232: X1.232
NetX1_233: X1.233
NetX1_234: X1.234
NetX1_235: X1.235
NetX1_236: X1.236
NetX1_239: X1.239
NetX1_240: X1.240
NetX1_242: X1.242
NetX1_243: X1.243
NetX1_245: X1.245
NetX1_246: X1.246
NetX1_247: X1.247
NetX1_248: X1.248
NetX1_249: X1.249
NetX1_251: X1.251
NetX1_252: X1.252
NetX1_253: X1.253
NetX1_254: X1.254
NetX1_255: X1.255
NetX1_257: X1.257
NetX1_258: X1.258
NetX1_259: X1.259
NetX1_260: X1.260
NetX1_261: X1.261
NetX1_262: X1.262
NetX1_263: X1.263
NetX1_264: X1.264
NetX1_265: X1.265
NetX1_266: X1.266
NetX1_269: X1.269
NetX1_270: X1.270
NetX1_271: X1.271
NetX1_272: X1.272
NetX1_273: X1.273
NetX1_274: X1.274
NetX1_275: X1.275
NetX1_276: X1.276
NetX1_277: X1.277
NetX1_278: X1.278
NetX1_279: X1.279
NetX1_281: X1.281
NetX1_282: X1.282
NetX1_283: X1.283
NetX1_284: X1.284
NetX1_286: X1.286
NetX1_287: X1.287
NetX1_288: X1.288
NetX1_289: X1.289
NetX1_290: X1.290
NetX1_291: X1.291
NetX1_293: X1.293
NetX1_294: X1.294
NetX1_296: X1.296
NetX1_300: X1.300
NetX1_302: X1.302
NetX1_305: X1.305
NetX1_306: X1.306
NetX1_307: X1.307
NetX1_309: X1.309
NetX1_310: X1.310
NetX1_311: X1.311
NetX1_312: X1.312
NetX1_315: X1.315
NetX1_316: X1.316
NetX1_317: X1.317
NetX1_318: X1.318
NetX1_319: X1.319
NetX1_321: X1.321
NetX2_15: X2.15
NetX3_2: X3.2
NetX3_4: X3.4
NetX3_5: X3.5